# Altium PCB Kasli-DIOT.PCBDOC (part 10 of 21) (continued)
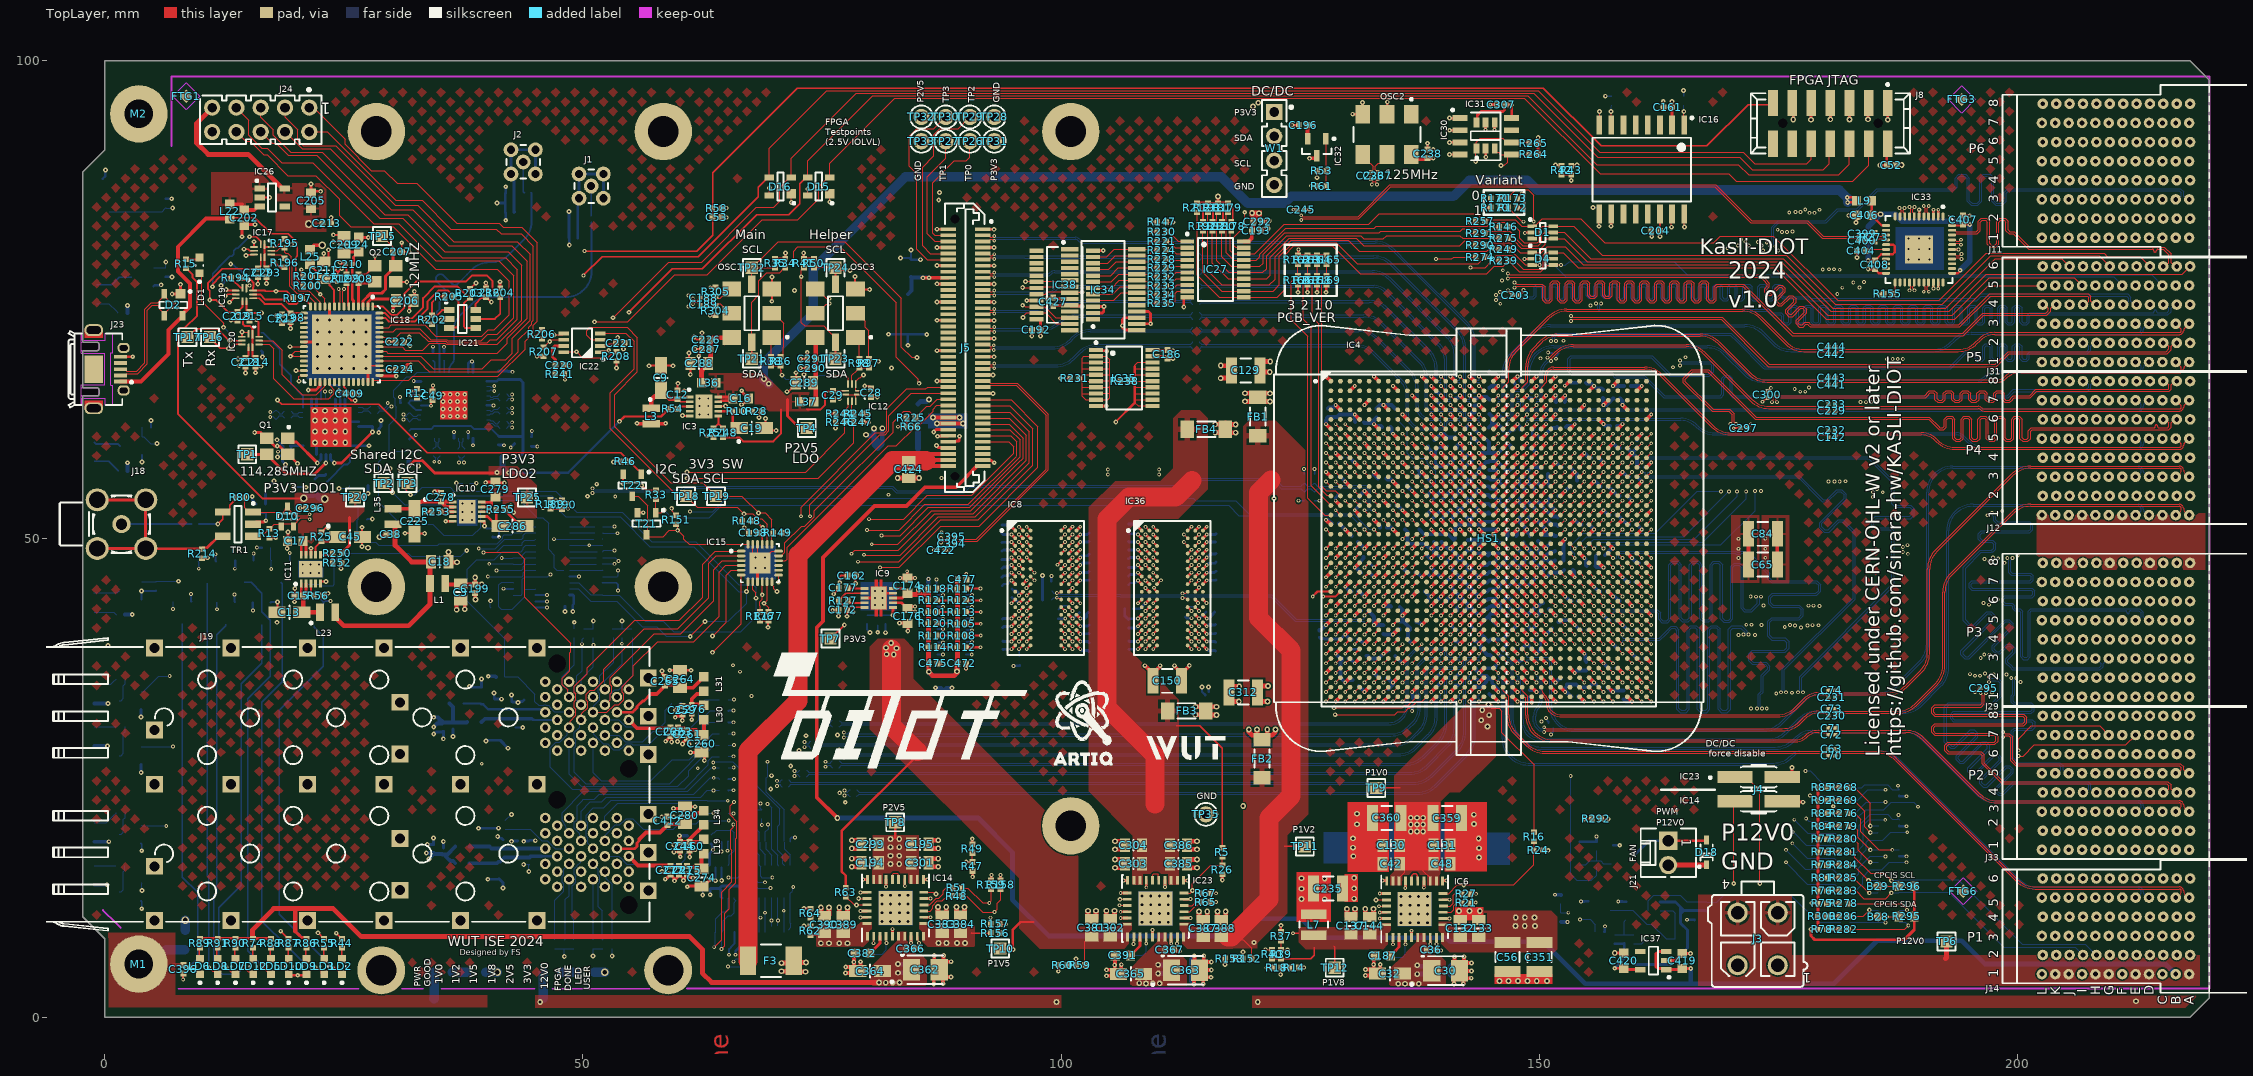
[diagram p0: TopLayer view]
## Nets (pads, with @x,y where several pads share a name; then routed paths per layer and width w, separated by ;. In a path a pad name is that pad's centre, name@x,y a point inside that pad or via, vN(x,y) a via of type N, cw(c..) or ccw(c..) an arc to the next point about the centre after c; other vN are vias at no path point) (continued)
MGTC4_Rx_N: C438.2 IC4.AK21 | length 40.3
  TopLayer w0.095: IC4.AK21@148.2,37.5 v1(148.7,37)
  BottomLayer w0.095: v1(148.7,37) 148.7,37.333 148.756,37.389 150.841,37.389 151.075,37.155 151.075,32.388 ccw(c153.433,32.388) 151.765,30.721 151.83,30.656 ccw(c153.655,32.48) 151.831,30.655 ccw(c153.655,32.48) 153.655,29.9 173.482,29.9 ccw(c173.482,32.659) 175.433,30.708 177.85,33.125 cw(c179.212,31.763) 179.212,33.689 179.941,33.689 cw(c179.941,33.566) 180.028,33.653 cw(c179.98,33.605) 180.048,33.605 ccw(c180.115,33.605) 180.067,33.558 180.182,33.443 ccw(c180.225,33.485) C438.2@180.225,33.425
MGTC4_Rx_P: C434.2 IC4.AJ21 | length 40.3
  TopLayer w0.095: IC4.AJ21@148.2,38.5 v1(148.7,38)
  BottomLayer w0.095: v1(148.7,38) 148.7,37.667 148.756,37.611 150.933,37.611 151.297,37.247 151.297,32.48 ccw(c153.655,32.48) 151.987,30.813 ccw(c153.655,32.48) 153.655,30.122 173.481,30.122 ccw(c173.481,32.662) 175.277,30.866 177.695,33.284 cw(c179.209,31.77) 179.209,33.911 179.941,33.911 ccw(c179.941,34.034) 180.028,33.947 ccw(c179.98,33.995) 180.048,33.995 cw(c180.115,33.995) 180.067,34.042 180.182,34.157 cw(c180.225,34.115) C434.2@180.225,34.175
MGTC4_Tx_N: C231.1 IC4.AP23 | length 32.4
  TopLayer w0.095: IC4.AP23@150.2,33.5 ccw(c150.014,33.686) 150.277,33.686 cw(c150.252,33.594) IC4.AP23@150.299,33.677 ; IC4.AP23@150.299,33.677 cw(c150.2,33.5) 150.384,33.585 ccw(c150.669,33.722) 150.445,33.499 150.545,33.398 cw(c150.478,33.331) 150.571,33.352 ccw(c151.2,33.5) 150.747,33.039 cw(c150.68,32.971) 150.775,32.971 150.775,32.589 ccw(c151.686,32.589) 151.042,31.944 151.044,31.942 ccw(c152.345,33.243) 152.345,31.403 152.708,31.403 174.91,31.403 ccw(c174.91,34.162) 176.861,32.211 177.75,33.1 cw(c179.172,31.678) 179.172,33.689 179.941,33.689 cw(c179.941,33.566) 180.028,33.653 cw(c179.98,33.605) 180.048,33.605 ccw(c180.115,33.605) C231.1@180.067,33.558 ; C231.1@180.067,33.558 180.182,33.443 ccw(c180.225,33.485) C231.1@180.225,33.425
MGTC4_Tx_P: C74.1 IC4.AN23 | length 32.7
  TopLayer w0.095: IC4.AN23@150.2,34.5 ccw(c151.268,34.5) 150.392,33.889 ccw(c150.469,33.944) 150.419,33.863 cw(c150.2,33.5) 150.584,33.681 ccw(c150.669,33.722) 150.602,33.656 150.702,33.556 cw(c150.478,33.331) 150.787,33.404 ccw(c151.2,33.5) 150.903,33.197 cw(c150.68,32.971) 150.997,32.972 150.997,32.59 ccw(c151.69,32.59) 151.2,32.1 ccw(c152.347,33.247) 152.347,31.625 174.909,31.625 ccw(c174.909,34.165) 176.705,32.369 177.595,33.259 cw(c179.169,31.685) 179.169,33.911 179.941,33.911 ccw(c179.941,34.034) 180.028,33.947 ccw(c179.98,33.995) 180.048,33.995 cw(c180.115,33.995) 180.067,34.042 180.182,34.157 cw(c180.225,34.115) C74.1@180.225,34.175
MGTC5_Rx_N: C439.2 IC4.E21 | length 33.1
  TopLayer w0.095: IC4.E21@148.2,62.5 v1(148.7,63)
  BottomLayer w0.095: v1(148.7,63) 148.7,62.667 148.756,62.611 154.503,62.611 164.784,62.611 cw(c164.784,60.211) 166.481,61.908 166.543,61.846 ccw(c168.339,63.642) 168.339,61.102 179.933,61.102 ccw(c179.933,61.245) 180.034,61.144 ccw(c180,61.178) 180.048,61.178 cw(c180.095,61.178) 180.062,61.211 180.182,61.332 cw(c180.225,61.29) C439.2@180.225,61.35
MGTC5_Rx_P: C435.2 IC4.F21 | length 33.1
  TopLayer w0.095: IC4.F21@148.2,61.5 v1(148.7,62)
  BottomLayer w0.095: v1(148.7,62) 148.7,62.333 148.756,62.389 164.782,62.389 cw(c164.782,60.207) 166.325,61.75 166.386,61.689 ccw(c168.338,63.641) 168.338,60.88 179.933,60.88 cw(c179.933,60.738) 180.034,60.839 cw(c180,60.805) 180.048,60.805 ccw(c180.095,60.805) 180.061,60.771 180.182,60.65 ccw(c180.225,60.693) C435.2@180.225,60.633
MGTC5_Tx_N: C232.1 IC4.A23 | length 33.8
  TopLayer w0.095: IC4.A23@150.2,66.5 150.267,66.567 150.498,66.567 150.553,66.623 150.553,66.708 150.55,66.712 150.55,67.051 cw(c151.367,67.051) 150.789,67.628 150.869,67.708 cw(c151.506,67.071) 151.506,67.972 161.033,67.972 cw(c161.033,65.535) 162.756,67.258 166.707,63.307 168.168,61.846 ccw(c169.964,63.642) 169.964,61.102 179.933,61.102 ccw(c179.933,61.245) 180.034,61.144 ccw(c180,61.178) 180.048,61.178 cw(c180.095,61.178) 180.061,61.211 180.182,61.332 cw(c180.225,61.29) C232.1@180.225,61.35
MGTC5_Tx_P: C142.1 IC4.B23 | length 34.4
  TopLayer w0.095: IC4.B23@150.2,65.5 150.232,65.532 150.232,65.877 150.775,66.421 150.775,66.8 150.772,66.803 150.772,67.05 cw(c151.368,67.05) 150.947,67.472 151.025,67.55 cw(c151.508,67.067) 151.508,67.75 161.031,67.75 cw(c161.031,65.531) 162.6,67.1 168.011,61.689 ccw(c169.963,63.641) 169.963,60.88 179.933,60.88 cw(c179.933,60.738) 180.034,60.839 cw(c180,60.805) 180.048,60.805 ccw(c180.095,60.805) 180.061,60.771 180.182,60.65 ccw(c180.225,60.693) C142.1@180.225,60.633
MGTC6_Rx_N: C440.2 IC4.C20 | length 34.4
  TopLayer w0.095: IC4.C20@147.2,64.5 v1(147.7,65)
  BottomLayer w0.095: v1(147.7,65) 147.7,64.667 147.756,64.611 148.055,64.611 148.289,64.377 148.289,63.881 148.545,63.625 164.2,63.625 179.983,63.625 180.03,63.672 180.073,63.672 C440.2@180.225,63.825
MGTC6_Rx_P: C436.2 IC4.D20 | length 34.4
  TopLayer w0.095: IC4.D20@147.2,63.5 v1(147.7,64)
  BottomLayer w0.095: v1(147.7,64) 147.7,64.333 147.756,64.389 147.963,64.389 148.067,64.285 148.067,63.79 148.453,63.403 164.2,63.403 179.919,63.403 179.974,63.348 179.974,63.341 180.2,63.115 C436.2@180.225,63.115
MGTC6_Tx_N: C233.1 IC4.C22 | length 38.4
  TopLayer w0.095: IC4.C22@149.2,64.5 v1(149.7,65) ; v6(150.845,68.955) 150.894,69.004 151.09,69.004 151.193,69.107 151.6,69.514 cw(c153.551,67.563) 151.602,69.516 cw(c153.551,67.563) 153.551,70.322 165.35,70.322 cw(c165.35,67.566) 167.299,69.515 172.214,64.6 ccw(c174.01,66.396) 174.01,63.856 179.992,63.856 180.048,63.912 180.048,63.948 180.2,64.1 C233.1@180.225,64.1
  BottomLayer w0.095: v1(149.7,65) 149.7,64.667 149.756,64.611 150.014,64.611 150.1,64.697 150.1,67.499 cw(c151.342,67.499) 150.1,67.502 cw(c151.342,67.499) 150.463,68.377 cw(c151.342,67.499) 150.464,68.378 150.796,68.71 150.796,68.906 v6(150.845,68.955)
MGTC6_Tx_P: C229.1 IC4.D22 | length 38.4
  TopLayer w0.095: IC4.D22@149.2,63.5 v1(149.7,64) ; v6(151.198,68.602) 151.247,68.651 151.247,68.847 151.415,69.015 151.756,69.356 cw(c153.552,67.56) 153.552,70.1 165.348,70.1 cw(c165.348,67.56) 167.144,69.356 172.057,64.443 ccw(c174.009,66.395) 172.06,64.44 ccw(c174.009,66.395) 174.006,63.634 ccw(c174.009,66.395) 174.009,63.634 179.992,63.634 180.048,63.579 180.048,63.543 180.2,63.39 C229.1@180.225,63.39
  BottomLayer w0.095: v1(149.7,64) 149.7,64.333 149.756,64.389 150.106,64.389 150.322,64.605 150.322,67.499 cw(c151.344,67.499) 150.621,68.221 150.953,68.553 151.149,68.553 v6(151.198,68.602)
MGTC7_Rx_N: C447.2 IC4.E19 | length 41.8
  TopLayer w0.095: IC4.E19@146.2,62.5 v1(146.7,63)
  BottomLayer w0.095: v1(146.7,63) 146.7,62.667 146.756,62.611 146.834,62.611 147.048,62.824 147.048,65.39 147.31,65.653 148.17,65.653 148.778,66.26 148.778,67.55 cw(c151.38,67.55) 148.778,67.554 cw(c151.38,67.55) 149.538,69.388 cw(c151.38,67.55) 149.54,69.39 149.542,69.392 cw(c151.493,67.441) 149.544,69.394 cw(c151.493,67.441) 151.493,70.2 167.533,70.2 cw(c167.533,67.444) 169.482,69.393 171.508,67.367 ccw(c173.304,69.164) 173.304,66.624 179.935,66.624 ccw(c179.935,66.761) 180.032,66.664 ccw(c179.995,66.701) 180.048,66.701 cw(c180.1,66.701) 180.063,66.738 180.182,66.857 cw(c180.225,66.815) C447.2@180.225,66.875
MGTC7_Rx_P: C445.2 IC4.F19 | length 41.8
  TopLayer w0.095: IC4.F19@146.2,61.5 v1(146.7,62)
  BottomLayer w0.095: v1(146.7,62) 146.7,62.333 146.756,62.389 146.926,62.389 147.27,62.732 147.27,65.298 147.402,65.43 148.262,65.43 149,66.168 149,67.549 cw(c151.383,67.549) 149.697,69.233 cw(c151.383,67.549) 149.698,69.234 cw(c151.494,67.438) 151.494,69.978 167.531,69.978 cw(c167.531,67.438) 169.327,69.234 171.351,67.21 ccw(c173.303,69.162) 173.303,66.402 179.935,66.402 cw(c179.935,66.264) 180.032,66.361 cw(c179.995,66.324) 180.048,66.324 ccw(c180.1,66.324) 180.063,66.287 180.182,66.168 ccw(c180.225,66.21) C445.2@180.225,66.15
MGTC7_Tx_N: C443.1 IC4.A21 | length 37.2
  TopLayer w0.095: IC4.A21@148.2,66.5 148.267,66.567 148.498,66.567 148.554,66.623 148.554,68.011 cw(c151.313,68.011) 148.554,68.014 cw(c151.313,68.011) 149.36,69.96 cw(c151.313,68.011) 149.362,69.962 150.107,70.707 cw(c151.833,68.981) 151.833,71.422 166.836,71.422 cw(c166.836,68.666) 168.785,70.615 172.033,67.367 ccw(c173.829,69.164) 173.829,66.624 179.935,66.624 ccw(c179.935,66.761) 180.032,66.664 ccw(c179.995,66.701) 180.048,66.701 cw(c180.1,66.701) 180.063,66.738 180.182,66.857 cw(c180.225,66.815) C443.1@180.225,66.875
MGTC7_Tx_P: C441.1 IC4.B21 | length 37.8
  TopLayer w0.095: IC4.B21@148.2,65.5 148.232,65.532 148.232,65.877 148.776,66.421 148.776,68.009 cw(c151.316,68.009) 149.519,69.805 150.199,70.485 cw(c151.925,68.759) 151.925,71.2 166.834,71.2 cw(c166.834,68.66) 168.63,70.456 171.876,67.21 ccw(c173.828,69.162) 171.879,67.207 ccw(c173.828,69.162) 173.828,66.402 179.935,66.402 cw(c179.935,66.264) 180.032,66.361 cw(c179.995,66.324) 180.048,66.324 ccw(c180.1,66.324) 180.063,66.287 180.182,66.168 ccw(c180.225,66.21) C441.1@180.225,66.15
MGTC8_Rx_N: C448.2 IC4.C18 | length 41.8
  TopLayer w0.095: IC4.C18@145.2,64.5 v1(145.7,65)
  BottomLayer w0.095: v1(145.7,65) 145.7,64.667 145.756,64.611 146.023,64.611 146.1,64.688 146.1,67.385 cw(c148.859,67.385) 146.1,67.389 cw(c148.859,67.385) 146.906,69.334 cw(c148.859,67.385) 146.908,69.336 149.186,71.614 cw(c151.137,69.663) 149.188,71.616 cw(c151.137,69.663) 151.137,72.422 171.486,72.422 cw(c171.486,69.666) 173.435,71.615 174.491,70.559 ccw(c176.287,72.355) 176.287,69.815 179.939,69.815 ccw(c179.939,69.942) 180.029,69.852 ccw(c179.985,69.896) 180.048,69.896 cw(c180.11,69.896) 180.066,69.941 180.182,70.057 cw(c180.225,70.015) C448.2@180.225,70.075
MGTC8_Rx_P: C446.2 IC4.D18 | length 41.8
  TopLayer w0.095: IC4.D18@145.2,63.5 v1(145.7,64)
  BottomLayer w0.095: v1(145.7,64) 145.7,64.333 145.756,64.389 146.115,64.389 146.322,64.596 146.322,67.384 cw(c148.862,67.384) 147.066,69.18 149.342,71.456 cw(c151.138,69.66) 151.138,72.2 171.484,72.2 cw(c171.484,69.66) 173.28,71.456 174.335,70.401 ccw(c176.287,72.353) 176.287,69.593 179.939,69.593 cw(c179.939,69.466) 180.029,69.555 cw(c179.985,69.511) 180.048,69.511 ccw(c180.111,69.511) 180.066,69.467 180.182,69.35 ccw(c180.225,69.393) C446.2@180.225,69.332
MGTC8_Tx_N: C444.1 IC4.A19 | length 39.9
  TopLayer w0.095: IC4.A19@146.2,66.5 146.267,66.567 146.498,66.567 146.553,66.623 146.553,67.724 cw(c149.313,67.724) 146.553,67.728 cw(c149.313,67.724) 147.36,69.674 cw(c149.313,67.724) 147.362,69.676 150.9,73.214 cw(c152.851,71.263) 150.902,73.216 cw(c152.851,71.263) 152.851,74.022 171.25,74.022 cw(c171.25,71.266) 173.199,73.215 175.855,70.559 ccw(c177.651,72.355) 177.651,69.815 179.939,69.815 ccw(c179.939,69.942) 180.029,69.852 ccw(c179.985,69.896) 180.048,69.896 cw(c180.111,69.896) 180.066,69.941 180.182,70.057 cw(c180.225,70.015) C444.1@180.225,70.075
MGTC8_Tx_P: C442.1 IC4.B19 | length 40.5
  TopLayer w0.095: IC4.B19@146.2,65.5 146.232,65.532 146.232,65.877 146.776,66.421 146.776,67.723 cw(c149.316,67.723) 147.519,69.519 151.056,73.056 cw(c152.852,71.26) 152.852,73.8 171.248,73.8 cw(c171.248,71.26) 173.044,73.056 175.699,70.401 ccw(c177.651,72.353) 177.651,69.593 179.939,69.593 cw(c179.939,69.466) 180.029,69.555 cw(c179.985,69.511) 180.048,69.511 ccw(c180.11,69.511) 180.066,69.466 180.182,69.35 ccw(c180.225,69.393) C442.1@180.225,69.332
MON-bus.P_IO0: IC4.AK10 R288.1 | length 55.2
  TopLayer w0.127: v1(136.7,37) IC4.AK10@137.2,37.5
  Layer 3 w0.127: v1(136.7,37) 137.125,36.575 137.125,35.789 137.55,35.363 137.89,35.363 138.11,35.144 138.11,33.263 137.85,33.003 137.85,29.275 139.475,27.65 175.925,27.65 v1(177.825,25.75)
  BottomLayer w0.127: v1(177.825,25.75) 178.3,25.75 179.525,24.525 181.005,24.525 181.284,24.246 181.304,24.246 181.53,24.02 R288.1@181.53,24
MON-bus.P_IO1: IC4.AM9 R266.1 | length 57.1
  TopLayer w0.127: v1(135.7,35) IC4.AM9@136.2,35.5
  Layer 3 w0.127: v1(135.7,35) 136.275,34.425 136.275,30.5 136.275,28.025 137.931,26.369 170.931,26.369 v1(176.653,20.647)
  BottomLayer w0.127: v1(176.653,20.647) 178.075,19.225 180.919,19.225 181.284,18.861 181.304,18.861 181.53,18.634 R266.1@181.53,18.614
MON-bus.P_IO2: IC4.AL10 R267.1 | length 55
  TopLayer w0.127: v1(136.7,36) IC4.AL10@137.2,36.5
  Layer 3 w0.127: v1(136.7,36) 136.7,35.65 137.323,35.027 137.323,28.752 138.852,27.223 174.271,27.223 v1(178.309,23.184)
  BottomLayer w0.127: v1(178.309,23.184) 178.294,23.2 180.984,23.2 181.284,22.9 181.304,22.9 181.53,22.674 R267.1@181.53,22.654
MON-bus.P_PRES0_N: IC4.AP9 R85.1 R268.1 | length 53.1
  TopLayer w0.127: v1(135.7,33) IC4.AP9@136.2,33.5 ; R85.1@180.065,24.023 v2(180.72,24.023) R268.1@181.375,24.023
  Layer 5 w0.127: v1(135.7,33) 135.7,29.05 136.728,28.022 144.603,28.022 148.05,24.575 180.168,24.575 v2(180.72,24.023)
MON-bus.P_PRES1_N: IC4.AN9 R92.1 R269.1 | length 55.4
  TopLayer w0.127: v1(135.7,34) IC4.AN9@136.2,34.5 ; R92.1@180.065,22.674 v2(180.72,22.674) R269.1@181.375,22.674
  Layer 5 w0.127: v1(135.7,34) 135.225,33.525 135.225,28.921 136.551,27.595 144.426,27.595 147.873,24.148 179.246,24.148 v2(180.72,22.674)
MON-bus.P_RST: IC4.AK7 R287.1 | length 60.1
  TopLayer w0.127: v1(133.7,37) IC4.AK7@134.2,37.5
  Layer 3 w0.127: v1(133.7,37) 134.17,37.47 137.01,37.47 138.337,36.144 138.337,30.013 140.2,28.15 176.5,28.15 179.025,25.625 179.025,23.754 v2(180.724,22.055)
  BottomLayer w0.127: v2(180.724,22.055) 180.777,22.002 180.855,22.002 181.53,21.327 R287.1@181.53,21.307
NetC9_1: C9.1 C12.2 IC3.1 IC3.2 L3.2 | length 7.2
  TopLayer w0.2: IC3.2@61.15,64.35 60.2,64.35 C12.2@59.9,64.65 60.1,64.85 IC3.1@61.15,64.85
  TopLayer w0.5: L3.2@57.15,63.65 57.15,64.55 57.5,64.9 57.775,64.9 C9.1@58.15,65.275 ; C9.1@58.15,65.55 C9.1@58.15,65.275 ; C12.2@59.9,64.65 59.05,64.65 58.8,64.9 58.525,64.9 C9.1@58.15,65.275
NetC13_1: C13.1 C15.2 IC11.1 IC11.2 L23.2 | length 6.4
  TopLayer w0.3: IC11.1@20.55,45.337 20.55,44.287 C15.2@20.75,44.087 21.05,44.387 IC11.2@21.05,45.337
  TopLayer w0.5: C15.2@20.75,44.087 20.75,42.487 C13.1@20.6,42.337 L23.2@22.5,42.337
NetC19_1: C19.1 IC3.7 R10.2 | length 3.7
  TopLayer w0.25: IC3.7@64.15,63.35 R10.2@65.68,63.35 65.68,62.1 66.18,61.6 C19.1@66.35,61.6
NetC20_2: C20.2 J1.1 | length 3.1
  BottomLayer w0.19: J1.1@50.859,86.896 50.867,86.888 50.867,83.808 C20.2@50.875,83.8
NetC21_2: C21.2 J2.1 | length 4.3
  BottomLayer w0.19: 43.754,86.983 43.754,87.871 ; J2.1@43.754,89.421 43.754,87.871 ; C21.2@43.754,86.321 43.754,86.875 43.754,87.871 ; C21.2@43.754,86.321 43.754,86.305 43.859,86.2 C21.2@43.875,86.2 C21.2@43.754,86.321
NetC23_2: C23.2 C24.2 C25.2 C26.2 IC2.5 IC2.10 IC2.32 L2.1 | length 12.2
  TopLayer w0.3: v2(24.003,57.939) 24.765,57.939 v2(27.998,61.172)
  BottomLayer w0.3: C23.2@19.5,58.701 19.5,59.617 C25.2@19.4,59.717 19.432,59.749 IC2.10@20.722,59.749 ; L2.1@21.971,56.276 22.321,56.626 23.001,56.626 23.1,56.725 ; IC2.5@23.622,58.849 23.622,58.32 v2(24.003,57.939) ; IC2.32@26.522,61.749 C24.2@27.998,61.749 v2(27.998,61.172)
NetC43_2: C43.2 C44.2 J1.2 R29.2 | length 11.3
  BottomLayer w0.3: C43.2@49.45,81.474 49.45,83.475 49.45,84.987 J1.2@49.589,85.126 ; J1.2@49.589,85.626 J1.2@49.589,88.166 J1.2@52.129,88.166 J1.2@52.129,85.626
NetC45_1: C45.1 IC11.7 R25.2 | length 3.3
  TopLayer w0.2: IC11.7@22.05,48.337 22.05,49.175 22.63,49.755 R25.2@22.65,49.755 ; R25.2@22.67,49.755 23.605,49.755 C45.1@24.075,50.225
NetC46_2: C46.2 C47.2 J2.2 R30.2 | length 11.9
  BottomLayer w0.3: C46.2@42.866,84.216 C46.2@42.775,84.124 42.775,87.86 J2.2@42.484,88.151 J2.2@42.484,90.691 J2.2@45.024,90.691 J2.2@45.024,88.151
NetC49_2: C49.2 IC1.17 | length 1.7
  TopLayer w0.2: v1(34.1,63.925) 34.1,64.525 C49.2@34.125,64.55
  BottomLayer w0.2: IC1.17@33.05,63.978 33.069,63.959 34.066,63.959 v1(34.1,63.925)
NetC53_2: C53.2 J8.13 R58.1 T13.1 | length 180.3
  TopLayer w0.15: v1(50.15,80.1) 61.9,80.1 63.55,81.75 63.55,88.275 65.625,90.35 72.4,97.125 150.425,97.125 156.45,91.1 167.525,91.1 171.825,95.4 174.25,95.4 J8.13@174.425,95.575
  Layer 3 w0.15: v2(13.175,78.75) 15.35,78.75 15.675,78.425 18.25,78.425 19.625,77.05 30.925,77.05 31.65,77.775 40.7,77.775 43.025,80.1 v1(50.15,80.1)
  BottomLayer w0.15: v2(13.175,78.75) 13.242,78.683 13.442,78.683 14.041,78.084 14.225,78.084 14.45,77.859 T13.1@14.45,77.675
NetC159_1: C159.1 D17.2 R150.1 T20.1 | length 4.6
  BottomLayer w0.1: D17.2@154.225,15.891 154.257,15.924 154.856,15.924 155.283,16.35 155.975,16.35 155.99,16.335 156.417,16.335 156.702,16.05 T20.1@157.5,16.05 ; C159.1@155.975,16.375 R150.1@155.975,17.405
NetC175_2: C175.2 IC9.1 R128.2 R129.2 | length 3.5
  TopLayer w0.3: v2(82.419,42.025) IC9.1@82.419,42.825
  BottomLayer w0.2: R128.2@79.764,42.025 80.644,42.025 C175.2@81.619,42.025 v2(82.419,42.025)
NetC179_2: C179.2 C180.2 C181.2 C182.2 J19.LB15 L20.2 | length 8.9
  BottomLayer w0.25: L20.2@37.55,32.8 39.3,32.8 C179.2@39.4,32.7 39.575,32.7 40.075,32.2 45.529,32.2 45.859,31.87 J19.LB15@46.05,31.87
NetC183_2: C183.2 C184.2 J19.LB16 L21.2 | length 8.1
  BottomLayer w0.25: 44.65,31.2 44.65,31.175 44.725,31.1 44.841,31.1 44.871,31.07 J19.LB16@47.3,31.07
  BottomLayer w0.4: L21.2@39.4,30.85 39.75,31.2 41.15,31.2 C183.2@42.95,31.2 44.65,31.2
NetC187_2: C187.2 IC6.25 | length 2.3
  TopLayer w0.3: C187.2@134.44,6.44 134.44,6.465 134.765,6.79 134.79,6.79 135.337,7.338 IC6.25@135.337,8.33
NetC202_2: C202.2 IC26.1 IC26.3 L22.2 | length 2.8
  TopLayer w0.4: L22.2@13.051,84.99 14.334,84.99 ; C202.2@14.6,84.4 15.616,84.4 15.85,84.634 15.85,84.65 IC26.3@15.95,84.75
NetC207_2: C207.2 IC18.3 Q2.1 TP15.1 | length 9.8
  TopLayer w0.125: TP15.1@29,81.675 30.157,80.518 C207.2@30.157,80.01
  TopLayer w0.3: IC18.3@27.015,74.308 27.015,74.894 27.813,75.692 28.956,75.692 29.337,76.073 29.337,77.474 30.157,78.294 30.157,78.574 C207.2@30.157,80.01
NetC208_2: C208.2 IC18.4 Q2.3 | length 4
  TopLayer w0.3: IC18.4@26.515,74.308 C208.2@26.515,76.738 ; C208.2@26.543,76.766 Q2.3@28.129,76.766
NetC209_2: C209.2 C210.2 IC18.5 L24.2 | length 7.5
  TopLayer w0.3: C209.2@25.019,79.972 25.069,80.022 L24.2@26.543,80.022 26.015,79.494 C210.2@26.015,78.74 ; C210.2@25.877,78.74 25.877,75.056 26.008,74.925 26.008,74.315 IC18.5@26.015,74.308
NetC211_2: C211.2 C212.2 IC18.9 L25.2 | length 5.7
  TopLayer w0.2: L25.2@21.463,78.752 21.463,78.612 22.875,77.2 C211.2@22.9,77.2 ; IC18.9@24.015,74.308 23.985,74.338 23.985,76.025 23.5,76.51 23.5,76.866 C212.2@24.257,76.866
NetC220_1: C220.1 IC22.7 R241.2 | length 4.1
  TopLayer w0.3: R241.2@47.112,67.233 47.112,68.738 46.825,69.025 46.825,69.95 47.05,70.175 IC22.7@48,70.175
NetC225_1: C225.1 C278.2 IC10.1 IC10.2 L35.2 | length 8.5
  TopLayer w0.25: L35.2@30.15,53.15 L35.2@30.425,52.875 ; IC10.1@36.375,53.825 IC10.1@36.4,53.85
  TopLayer w0.4: L35.2@30.15,53.15 C225.1@32.4,53.15 32.4,53.425 32.825,53.85 33.1,53.85 33.15,53.9 C278.2@35.15,53.9 ; IC10.1@36.3,53.9 C278.2@35.15,53.9 ; IC10.2@36.4,53.35 35.7,53.35 C278.2@35.15,53.9
NetC226_2: C226.2 C287.2 C288.2 L36.2 OSC1.6 | length 8
  TopLayer w0.095: OSC1.6@64.825,70.31 OSC1.6@65.55,71.035
  TopLayer w0.5: L36.2@62.4,66.6 62.4,67.607 62.693,67.9 62.775,67.9 63.05,68.175 C288.2@63.05,68.35 63.325,68.625 63.325,69.068 63.35,69.093 C226.2@63.35,70.85 63.535,71.035 OSC1.6@65.55,71.035
NetC228_1: C228.1 J18.1 | length 7.3
  BottomLayer w0.19: J18.1@1.75,51.55 C228.1@9.073,51.55
NetC228_2: C228.2 R80.1 TR1.6 | length 5.8
  TopLayer w0.19: v2(11.825,51.55) 12.335,52.06 TR1.6@12.335,52.812 12.78,52.812 13.065,53.097 13.065,53.542 13.485,53.963 13.485,54.155 R80.1@13.68,54.35
  BottomLayer w0.19: C228.2@9.825,51.548 9.826,51.549 11.824,51.549 v2(11.825,51.55)
NetC260_2: C260.2 C261.2 C262.2 C263.2 J19.LT15 L30.2 | length 10
  TopLayer w0.4: J19.LT15@54.8,31.075 55.675,30.2 59.15,30.2 59.9,30.2 60.556,30.2 60.596,30.16 60.79,30.16 C261.2@60.9,30.05 61.81,30.05 61.875,29.985 61.875,29.85 62.225,29.5 C260.2@62.4,29.5 62.65,29.75 L30.2@62.65,31.1
NetC264_2: C264.2 C265.2 J19.LT16 L31.2 | length 11
  TopLayer w0.25: J19.LT16@53.55,31.87 55.17,31.87 55.4,32.1
  TopLayer w0.3: 55.4,32.1 55.525,32.225 ; 55.539,32.211 55.655,32.328 55.655,32.474 56.249,33.069 56.369,33.069 57.088,33.787
  TopLayer w0.4: 57.088,33.787 57.712,33.787 58.65,34.725 58.65,34.75 59.85,34.75 C264.2@60.15,34.45 61.5,34.45 L31.2@62.65,35.6
NetC268_2: C268.2 C269.2 C270.2 C271.2 J19.RB15 L32.2 | length 8.2
  BottomLayer w0.25: C268.2@40.15,17.95 40.25,17.85 40.45,17.65 C268.2@40.48,17.62
  BottomLayer w0.4: L32.2@38.15,17.85 C268.2@40.25,17.85 ; C268.2@40.45,17.65 C269.2@41.65,17.65 46.02,17.65 J19.RB15@46.05,17.62
NetC272_2: C272.2 C273.2 J19.RB16 L33.2 | length 9.5
  BottomLayer w0.25: 45.648,16.82 J19.RB16@47.3,16.82
  BottomLayer w0.4: L33.2@38.15,16.1 41,16.1 C272.2@41.15,16.25 41.325,16.25 41.775,16.7 44.4,16.7 44.4,16.725 44.425,16.725 44.52,16.82 45.648,16.82
NetC274_2: C274.2 C275.2 C277.2 C281.2 J19.RT15 L19.2 | length 9.9
  TopLayer w0.4: J19.RT15@54.8,16.82 55.771,15.849 59.15,15.849 59.15,15.7 59.9,15.7 62.2,15.7 C274.2@62.4,15.5 62.4,16.85 L19.2@62.65,17.1
NetC280_2: C280.2 C412.2 J19.RT16 L34.2 | length 11.2
  TopLayer w0.25: J19.RT16@53.55,17.62 55.42,17.62
  TopLayer w0.3: 55.42,17.62 55.655,17.855 55.655,18.224 55.925,18.494 55.925,18.625
  TopLayer w0.4: 55.925,18.625 56.6,19.3 58.069,19.3 58.994,20.225 59.067,20.225 59.092,20.2 C280.2@60.65,20.2 60.825,20.2 61.175,20.55 61.175,20.725 61.826,21.376 62.426,21.376 L34.2@62.65,21.6
NetC286_1: C286.1 IC10.7 R255.2 | length 3.1
  TopLayer w0.3: IC10.7@39.4,52.35 40.019,52.35 40.544,51.825 40.875,51.825 40.93,51.77 R255.2@40.93,53.1
NetC289_2: C289.2 C290.2 C291.2 L37.2 OSC3.6 | length 7.5
  TopLayer w0.095: OSC3.6@73.598,71.737 OSC3.6@74.3,71.035
  TopLayer w0.5: L37.2@74.15,64.6 74.35,64.8 74.35,66.35 C290.2@74.35,67.85 C291.2@74.35,68.85 74.35,70.985 OSC3.6@74.3,71.035
NetC382_2: C382.2 IC14.25 | length 2.1
  TopLayer w0.3: C382.2@80.025,6.875 80.2,7.05 80.367,7.05 81.05,7.733 IC14.25@81.05,8.463
NetC391_2: C391.2 IC23.25 | length 2.4
  TopLayer w0.3: C391.2@107.257,6.45 107.257,6.482 107.575,6.8 107.607,6.8 108.25,7.443 IC23.25@108.25,8.387
NetC397_1: C397.1 R93.1 R260.1 T24.1 | length 3.6
  BottomLayer w0.127: R93.1@157.9,8.609 C397.1@158.875,8.609 ; C397.1@158.875,8.589 C397.1@158.875,8.609 ; T24.1@159.05,10.175 158.875,10 C397.1@158.875,8.609 ; R260.1@159.85,8.615 159.844,8.609 C397.1@158.875,8.609
NetC398_1: C398.1 R259.1 T5.3 T23.3 | length 12.5
  BottomLayer w0.127: T5.3@157.4,11.175 159.775,11.175 161.225,9.725 161.694,9.725 163.244,8.175 C398.1@164.225,8.175 164.225,8.5 164.225,10.863 163.963,11.125 T23.3@163.9,11.125 162.645,11.125 R259.1@162.625,11.105
NetC398_2: C398.2 R260.2 | length 1.6
  BottomLayer w0.127: R260.2@159.85,7.675 160.725,7.675 C398.2@161.225,8.175
NetC399_2: C399.2 IC33.14 R273.2 | length 2.6
  TopLayer w0.095: C399.2@184.125,81.9 184.15,81.9 184.35,81.7 184.705,81.7 184.763,81.758 184.763,81.778 185.005,82.02 185.045,82.02 185.288,81.778 185.288,81.758 185.379,81.666 185.817,81.666 185.926,81.775 IC33.14@186.25,81.775
NetC400_2: C400.2 IC33.15 R273.1 | length 2.4
  TopLayer w0.095: C400.2@184.125,81.2 184.278,81.353 184.341,81.353 184.358,81.37 184.715,81.37 184.908,81.178 185.143,81.178 185.343,81.378 185.817,81.378 185.92,81.275 IC33.15@186.25,81.275
NetC404_2: C404.2 IC33.17 | length 2.2
  TopLayer w0.095: C404.2@184.125,80.125 184.275,80.275 IC33.17@186.25,80.275
NetD2_4: D2.4 J23.1 L22.1 R200.1 | length 38.6
  TopLayer w0.15: L22.1@13.051,83.49 13.16,83.6 15.697,83.6 17.398,81.899 19.2,81.899 20.135,80.964 20.135,79.613 19.95,79.428 19.95,77.243 R200.1@20.739,76.454
  TopLayer w0.4: J23.1@1.65,66.45 3.775,66.45 6.65,69.325 6.65,71.851 D2.4@8.122,73.323 8.122,73.523 8.915,74.316 8.915,76.7 7.65,77.965 7.65,80.55 10.59,83.49 L22.1@13.051,83.49
NetD3_1: D3.1 J14.F2 R278.2 | length 34.3
  TopLayer w0.127: R278.2@182.315,11.888 182.331,11.871 187.829,11.871 188.439,11.261 v1(188.439,11.193)
  Layer 5 w0.1: v1(188.439,11.193) 187.8,10.555 187.8,9.5 191.527,5.773 210.312,5.773 J14.F2@211.039,6.5
  BottomLayer w0.127: D3.1@187.625,11.2 187.632,11.193 v1(188.439,11.193)
NetD3_3: D3.3 J14.H3 R282.2 | length 28.4
  TopLayer w0.127: R282.2@182.315,9.191 188.182,9.191 v1(188.575,9.584)
  Layer 5 w0.1: v1(188.575,9.584) 190.516,9.584 192.7,7.4 207.039,7.4 J14.H3@208.139,8.5
  BottomLayer w0.127: D3.3@187.625,9.9 188.259,9.9 v1(188.575,9.584)
NetD3_4: D3.4 J14.E2 R277.2 | length 32.4
  Layer 5 w0.1: v1(186.2,9.9) 190.8,5.3 211.239,5.3 J14.E2@212.439,6.5
  BottomLayer w0.127: R277.2@182.47,9.9 D3.4@185.425,9.9 v1(186.2,9.9)
NetD3_6: D3.6 J14.L2 R286.2 | length 23.7
  TopLayer w0.127: R286.2@182.315,10.539 183.839,10.539 v2(184.5,11.2)
  layer 8 w0.127: v2(184.5,11.2) 185.314,10.386 185.314,10.008 188.821,6.5 J14.L2@202.639,6.5
  BottomLayer w0.127: v2(184.5,11.2) D3.6@185.425,11.2
NetD5_1: D5.1 J14.H2 R281.2 | length 30.7
  TopLayer w0.127: R281.2@182.315,17.281 182.832,17.281 182.992,17.121 182.992,16.658 184.625,15.025 186.075,15.025 v2(186.8,14.3)
  BottomLayer w0.1: D5.1@187.625,14.345 193.78,14.345 200.475,7.65 207.089,7.65 J14.H2@208.239,6.5
  BottomLayer w0.127: v2(186.8,14.3) 187.58,14.3 D5.1@187.625,14.345
NetD5_3: D5.3 J14.I2 R283.2 | length 27.9
  TopLayer w0.127: R283.2@182.315,13.236 182.333,13.254 183.067,13.254 183.921,12.4 186.2,12.4 v2(186.8,13)
  BottomLayer w0.1: D5.3@187.625,13.045 192.853,13.045 193.024,12.874 198.568,7.331 206.008,7.331 J14.I2@206.839,6.5
  BottomLayer w0.127: v2(186.8,13) 187.58,13 D5.3@187.625,13.045
NetD5_4: D5.4 J14.K3 R285.2 | length 25.1
  TopLayer w0.127: R285.2@182.315,14.584 182.355,14.544 182.879,14.544 184.423,13 v2(184.5,13)
  Layer 5 w0.1: v2(184.5,13) 184.9,12.6 192.1,12.6 194.5,12.6 197.8,9.3 203.139,9.3 J14.K3@203.939,8.5
  BottomLayer w0.127: v2(184.5,13) 185.38,13 D5.4@185.425,13.045
NetD5_6: D5.6 J14.J3 R284.2 | length 29.3
  TopLayer w0.127: R284.2@182.315,15.933 182.767,15.933 v2(184.4,14.3)
  Layer 5 w0.1: v2(184.4,14.3) 184.057,13.957 184.057,12.543 184.5,12.1 192.1,12.1 196.5,7.7 204.539,7.7 J14.J3@205.339,8.5
  BottomLayer w0.127: v2(184.4,14.3) 185.38,14.3 D5.6@185.425,14.345
NetD6_1: D6.1 J33.C8 R288.2 | length 36.7
  Layer 5 w0.1: v1(187.499,24.199) 188.699,24.199 195.046,30.546 214.285,30.546 J33.C8@215.239,31.5
  BottomLayer w0.127: R288.2@182.47,24 183.725,24 184.025,24.3 186.4,24.3 186.918,23.782 D6.1@187.625,23.782 187.499,23.907 v1(187.499,24.199)
NetD6_3: D6.3 J33.J7 R270.2 | length 27.6
  Layer 5 w0.1: v1(189.6,22) 190.8,22 197.346,28.546 204.385,28.546 J33.J7@205.339,29.5
  BottomLayer w0.127: R270.2@182.47,19.961 182.961,19.961 183.2,20.2 183.2,20.8 184.1,21.7 186,21.7 186.782,22.482 189.118,22.482 v1(189.6,22)
NetD6_4: D6.4 J33.B8 R287.2 | length 38.4
  Layer 5 w0.1: v1(186.182,22.482) 187.4,23.7 189.6,23.7 196.2,30.3 215.439,30.3 J33.B8@216.639,31.5
  BottomLayer w0.127: R287.2@182.47,21.307 183.007,21.307 184.182,22.482 D6.4@185.425,22.482 v1(186.182,22.482)
NetD6_6: D6.6 J33.E7 R267.2 | length 33.8
  TopLayer w0.1: v1(200.1,27.3) 200.566,27.3 201.741,28.475 211.314,28.475 J33.E7@212.339,29.5
  Layer 6 w0.1: v1(186.182,23.782) 187.464,22.5 195.3,22.5 v1(200.1,27.3)
  BottomLayer w0.127: R267.2@182.47,22.654 183.229,22.654 184.357,23.782 D6.6@185.425,23.782 v1(186.182,23.782)